# Altium PCB 400432.PcbDoc (part 1 of 6) (continued)
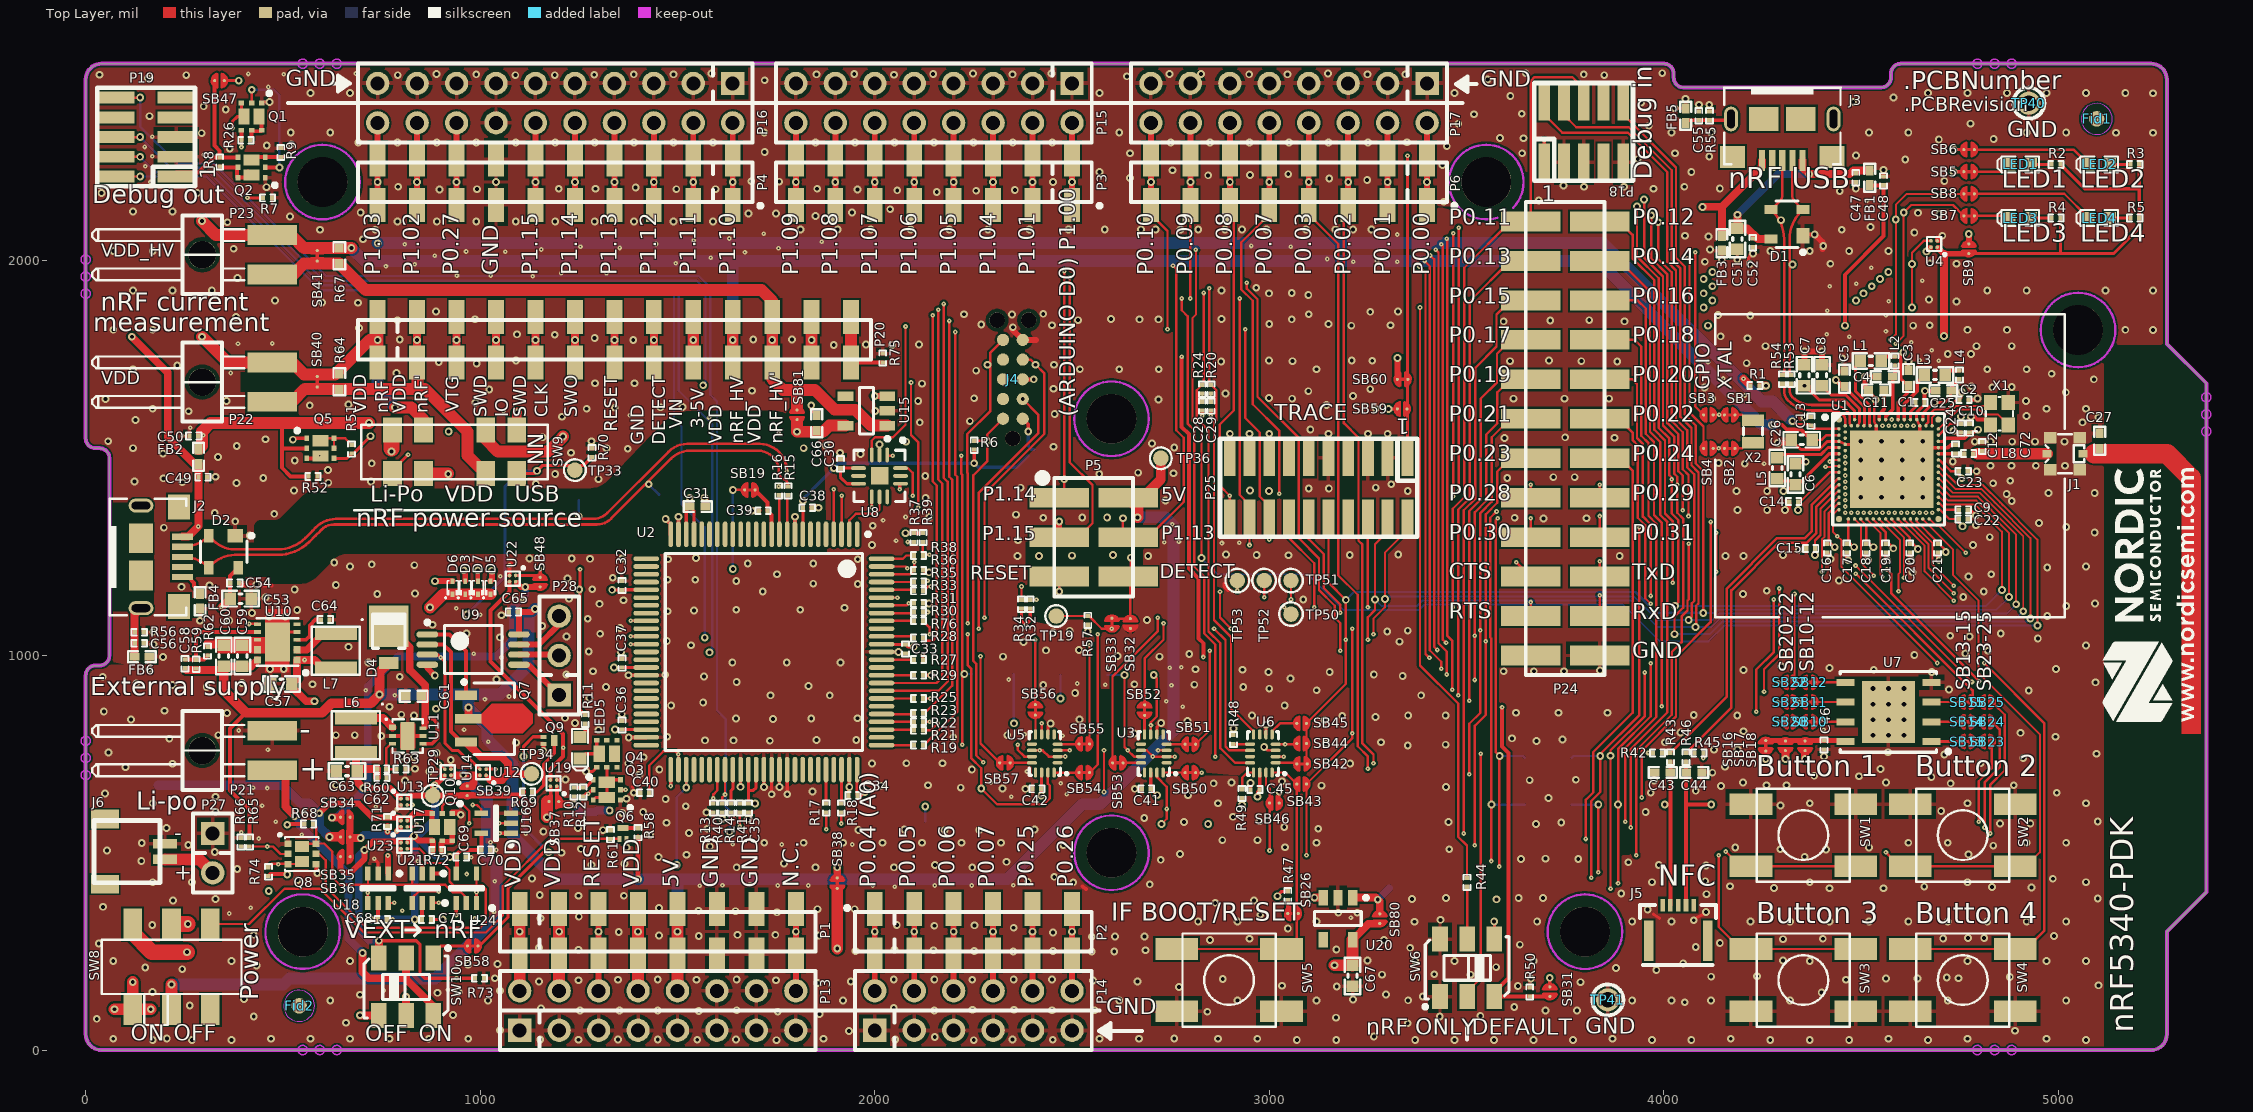
[diagram p0: Top Layer view]
## Components (designator, comment, footprint, x,y, rotation, side; value= is the part's Value field where it differs from the comment) (continued)
P12 "Pin List 1x8" LIST_1x8_SMD-NC 3400,2200 r180 bottom locked
P13 "Pin Header 2x8" HDR_2x8-NC 1450,100 r0 top locked
P14 "Pin Header 2x6" HDR_2x6-NC 2250,100 r0 top locked
P15 "Pin Header 2x8" HDR_2x8-NC 2150,2400 r180 top locked
P16 "Pin Header 2x10" HDR_2x10-NC 1190,2400 r180 top locked
P17 "Pin Header 2x8" HDR_2x8-NC 3050,2400 r180 top locked
P18 "Pin Header 2x5, 1.27mm" HDR_2x5-SMD-1.27mm-K 3797,2327 r0 top
P19 "Pin Header 2x5, 1.27mm" HDR_2x5-SMD-1.27mm-K 152.99,2314 r90 top
P20 "Pin List 1x13" LIST_1x13_SMD 740,1800 r0 top locked
P21 "Pin List 1x2, Angled" LIST_ANG_1x2-SMD-2.54MM 472.44,759 r270 top
P22 "Pin List 1x2, Angled" LIST_ANG_1x2-SMD-2.54MM 472.44,1692.91 r270 top
P23 "Pin List 1x2, Angled" LIST_ANG_1x2-SMD-2.54MM 472.44,2015.75 r270 top
P24 "Socket 2x12" SOCKET_2x12_SMD-2.54mm 3750,1550 r270 top locked
P25 "Pin Header 2x10, 1.27mm" HDR_2x10-SMD-1.27mm-NC 3125,1425 r180 top locked
P26 "Socket 1x12" LIST_1x12_SMD-NC 740,1800 r0 bottom locked
P27 "Pin List 1x2" LIST_1x2-NC 322,499 r270 top locked
P28 "Pin List 1x3" LIST_1x3-NC 1200,1000 r90 top locked
Q1 "PMCPB5530" PMCPB5530X 420.34,2366 r270 top
Q2 "PMCPB5530" PMCPB5530X 420.34,2237 r180 top
Q3 "PMCPB5530" PMCPB5530X 1321,659.29 r180 top
Q4 "PMCPB5530" PMCPB5530X 1321,751 r90 top
Q5 "PMCPB5530" PMCPB5530X 595,1525 r0 top
Q6 "RV2C010UNT2L" DFN65P100X40-3L 1362,549 r90 top
Q7 "FCX690BTA" SOT89-150P409X160-3N 1035,840 r0 top
Q8 "TSM250N02DCQ RFG" DFN65P200X200X80_HS-6N 548,497 r0 top
Q9 "RV2C010UNT2L" DFN65P100X40-3L 1174,785 r0 top
Q10 "PMCPB5530" PMCPB5530X 903.59,565.2 r270 top
R1 "4R7" RESC0603X03L_C 4231,1684 r0 top
R2 "220R" RESC0603X03L_C 4993.84,2244.73 r0 top
R3 "220R" RESC0603X03L_C 5193.84,2244.73 r0 top
R4 "220R" RESC0603X03L_C 4993.84,2108.73 r0 top
R5 "220R" RESC0603X03L_C 5193.84,2108.73 r0 top
R6 "100k" RESC0603X03L_C 2252,1533 r270 top
R7 "10k" RESC0603X03L_C 461,2160 r180 top
R8 "10k" RESC0603X03L_C 339.59,2251 r270 top
R9 "10k" RESC0603X03L_C 494.55,2275 r270 top
R10 "10k" RESC0603X03L_C 1238,654 r270 top
R11 "120R" RESC0603X03L_C 1266,838 r90 top
R12 "N.C." RESC0603X03L_C 1261,654 r90 top
R13 "1M0" RESC0603X03L_C 1591,613.61 r270 top
R14 "150R" RESC0603X03L_C 1635.5,613.61 r270 top
R15 "33R" RESC0603X03L_C 1780.05,1417.23 r270 top
R16 "33R" RESC0603X03L_C 1756.37,1417.23 r270 top
R17 "150R" RESC0603X03L_C 1877,613.61 r270 top
R18 "150R" RESC0603X03L_C 1915,613.61 r270 top
R19 "150R" RESC0603X03L_C 2111,773 r0 top
R20 "0R" RESC0603X03L_C 2852,1675 r270 top
R21 "150R" RESC0603X03L_C 2111,810.33 r0 top
R22 "150R" RESC0603X03L_C 2111,832 r0 top
R23 "150R" RESC0603X03L_C 2111,853.67 r0 top
R24 "0R" RESC0603X03L_C 2830,1675 r270 top
R25 "150R" RESC0603X03L_C 2111,891 r0 top
R26 "10k" RESC0603X03L_C 406,2306 r0 top
R27 "150R" RESC0603X03L_C 2111,989.61 r0 top
R28 "150R" RESC0603X03L_C 2111,1044.5 r0 top
R29 "0R" RESC0603X03L_C 2111,950 r0 top
R30 "150R" RESC0603X03L_C 2111,1110.16 r0 top
R31 "1M0" RESC0603X03L_C 2111,1132.05 r0 top
R32 "100k" RESC0603X03L_C 2394,1130 r270 top
R33 "150R" RESC0603X03L_C 2111,1163.94 r0 top
R34 "100k" RESC0603X03L_C 2372,1130 r270 top
R35 "150R" RESC0603X03L_C 2111,1186.33 r0 top
R36 "1M0" RESC0603X03L_C 2111,1215.72 r0 top
R37 "100k" RESC0603X03L_C 2099,1299 r90 top
R38 "150R" RESC0603X03L_C 2111,1253.61 r0 top
R39 "100k" RESC0603X03L_C 2122,1299 r90 top
R40 "100k" RESC0603X03L_C 1613.25,613.61 r270 top
R41 "100k" RESC0603X03L_C 1657.75,613.61 r90 top
R42 "N.C." RESC0603X03L_C 3984,753 r0 top
R43 "0R" RESC0603X03L_C 4016.63,742.06 r90 top
R44 "10k" RESC0603X03L_C 3501,425 r270 top
R45 "N.C." RESC0603X03L_C 4089,753 r180 top
R46 "0R" RESC0603X03L_C 4056.37,742.06 r90 top
R47 "100k" RESC0603X03L_C 3047,391 r90 top
R48 "4k7" RESC0603X03L_C 2909,787 r270 top
R49 "4k7" RESC0603X03L_C 2931,650 r90 top
R50 "47k" RESC0603X03L_C 3660,147 r90 top
R51 "1M0" RESC0603X03L_C 674,1523 r90 top
R52 "150k" RESC0603X03L_C 576,1454 r0 top
R53 "0R" RESC0603X03L_C 4323,1700 r90 top
R54 "0R" RESC0603X03L_C 4301,1700 r90 top
R55 "10k" RESC0603X03L_C 4115.75,2367.89 r270 top
R56 "10k" RESC0603X03L_C 135.84,1059 r180 top
R57 "1M0" RESC0603X03L_C 2540,1089 r270 top
R58 "1k" RESC0603X03L_C 1400,551 r90 top
R59 "270k" RESC0603X03L_C 280,978 r270 top
R60 "330k" RESC0603X03L_C 750,712 r180 top
R61 "10M" RESC0603X03L_C 1330,546 r90 top
R62 "30k" RESC0603X03L_C 309,1011 r270 top
R63 "120k" RESC0603X03L_C 799,712 r180 top
R64 "N.C." RESC1005X04L 642.99,1693.91 r90 top
R65 "820k" RESC0603X03L_C 414.87,527 r270 top
R66 "470k" RESC0603X03L_C 393.87,527 r90 top
R67 "N.C." RESC1005X04L 642.99,2013 r90 top
R68 "1M0" RESC0603X03L_C 565,573 r0 top
R69 "1M0" RESC0603X03L_C 1120,654 r0 top
R70 "N.C." RESC0603X03L_C 1283,1514 r90 top
R71 "100k" RESC0603X03L_C 765,579 r270 top
R72 "1M0" RESC0603X03L_C 891,506 r0 top
R73 "10M" RESC0603X03L_C 998,182 r0 top
R74 "1M0" RESC0603X03L_C 463,452 r90 top
R75 "205R" RESC0603X03L_C 2020,1754 r270 top
R76 "150R" RESC0603X03L_C 2111,1088 r0 top
SB1 "Solderbridge" Solderbridge_Shorted 4167,1610 r180 top net-tie
SB2 "Solderbridge" Solderbridge_Shorted 4167,1525 r180 top net-tie
SB3 "Solderbridge" Solderbridge 4113,1610 r180 top
SB4 "Solderbridge" Solderbridge 4113,1525 r180 top
SB5 "Solderbridge" Solderbridge_Shorted 4773.67,2226.26 r0 top net-tie
SB6 "Solderbridge" Solderbridge_Shorted 4773.67,2282.26 r0 top net-tie
SB7 "Solderbridge" Solderbridge_Shorted 4773.67,2114.26 r0 top net-tie
SB8 "Solderbridge" Solderbridge_Shorted 4773.67,2170.26 r0 top net-tie
SB9 "Solderbridge" Solderbridge 4773,2031 r270 top
SB10 "Solderbridge" Solderbridge_Shorted 4369.3,832 r0 top net-tie
SB11 "Solderbridge" Solderbridge_Shorted 4369.3,882 r0 top net-tie
SB12 "Solderbridge" Solderbridge_Shorted 4369.3,932 r0 top net-tie
SB13 "Solderbridge" Solderbridge_Shorted 4769.3,782 r180 top net-tie
SB14 "Solderbridge" Solderbridge_Shorted 4769.3,832 r180 top net-tie
SB15 "Solderbridge" Solderbridge_Shorted 4769.3,882 r180 top net-tie
SB16 "Solderbridge" Solderbridge_Shorted 4258.3,771 r90 top net-tie
SB17 "Solderbridge" Solderbridge 4308.3,771 r90 top
SB18 "Solderbridge" Solderbridge 4358.3,771 r90 top
SB19 "Solderbridge" Solderbridge_Shorted 1683.53,1419.75 r180 top net-tie
SB20 "Solderbridge" Solderbridge 4319.3,832 r180 top
SB21 "Solderbridge" Solderbridge 4319.3,882 r180 top
SB22 "Solderbridge" Solderbridge 4319.3,932 r180 top
SB23 "Solderbridge" Solderbridge 4819.3,782 r0 top
SB24 "Solderbridge" Solderbridge 4819.3,832 r0 top
SB25 "Solderbridge" Solderbridge 4819.3,882 r0 top
SB26 "Solderbridge" Solderbridge_Shorted 3060,346 r180 top net-tie
SB31 "Solderbridge" Solderbridge 3711,148 r270 top
SB32 "Solderbridge" Solderbridge 2648,1081 r90 top
SB33 "Solderbridge" Solderbridge_Shorted 2601,1081 r270 top net-tie
SB34 "Solderbridge" Solderbridge 658.1,590 r180 top
SB35 "Solderbridge" Solderbridge 658,540 r180 top
SB36 "Solderbridge" Solderbridge 658.1,490 r180 top
SB37 "Solderbridge" Solderbridge 1186.78,629.62 r180 top
SB38 "Solderbridge" Solderbridge_Shorted 1905,423 r90 top net-tie
SB39 "Solderbridge" Solderbridge 967,657 r270 top
SB40 "Solderbridge" Solderbridge_Shorted 586.99,1693.91 r270 top net-tie
SB41 "Solderbridge" Solderbridge_Shorted 586.99,2013 r270 top net-tie
SB42 "Solderbridge" Solderbridge_Shorted 3083,725.33 r0 top net-tie
SB43 "Solderbridge" Solderbridge 3082,674 r0 top
SB44 "Solderbridge" Solderbridge 3082,776.67 r0 top
SB45 "Solderbridge" Solderbridge 3082,828 r0 top
SB46 "Solderbridge" Solderbridge 3013,626 r180 top
SB47 "Solderbridge" Solderbridge 339,2457 r180 top
SB48 "Solderbridge" Solderbridge 1152,1186 r270 top
SB50 "Solderbridge" Solderbridge_Shorted 2800,703 r180 top net-tie
SB51 "Solderbridge" Solderbridge_Shorted 2800,775 r180 top net-tie
SB52 "Solderbridge" Solderbridge_Shorted 2684,861.7 r270 top net-tie
SB53 "Solderbridge" Solderbridge_Shorted 2616,728 r0 top net-tie
SB54 "Solderbridge" Solderbridge_Shorted 2531,703 r180 top net-tie
SB55 "Solderbridge" Solderbridge_Shorted 2531,776 r180 top net-tie
SB56 "Solderbridge" Solderbridge_Shorted 2407,862 r270 top net-tie
SB57 "Solderbridge" Solderbridge_Shorted 2330,728 r0 top net-tie
SB58 "Solderbridge" Solderbridge_Shorted 981,264 r180 top net-tie
SB59 "Solderbridge" Solderbridge 3336.8,1625 r180 top
SB60 "Solderbridge" Solderbridge_Shorted 3338,1700 r180 top net-tie
SB80 "Solderbridge" Solderbridge 3280,333 r270 top
SB81 "Solderbridge" Solderbridge 1803,1610 r270 top
SW1 "PB SW" Switch-PB-6.2x6.3mm-SMD 4353.57,544.48 r0 top locked
SW2 "PB SW" Switch-PB-6.2x6.3mm-SMD 4757.57,544.48 r0 top locked
SW3 "PB SW" Switch-PB-6.2x6.3mm-SMD 4353.57,177.23 r180 top locked
SW4 "PB SW" Switch-PB-6.2x6.3mm-SMD 4757.57,177.23 r180 top locked
SW5 "PB SW" Switch-PB-6.2x6.3mm-SMD 2898,177.23 r180 top
SW6 "CAS-220TA" CAS-220TA 3501.57,208.27 r0 top
SW8 "MKH-22D14-G2-B" MKH-22D14-G2-B 217.62,211 r0 top
SW9 "JS203011JCQN" Switch-Slide-J-Lead-DP3T-13x3.5mm 935,1516 r0 top locked
SW10 "CAS-220TA" CAS-220TA 812,160 r180 top
TP1 "Ø1.5mm,SMD" TP_SMD_Ø1.5mm 2128,580 r90 bottom
TP2 "Ø1.5mm,SMD" TP_SMD_Ø1.5mm 2588.89,950.56 r0 bottom
TP3 "Ø1.5mm,SMD" TP_SMD_Ø1.5mm 2727,573 r90 bottom
TP4 "Ø1.5mm,SMD" TP_SMD_Ø1.5mm 2707,950.56 r0 bottom
TP5 "Ø1.5mm,SMD" TP_SMD_Ø1.5mm 2270,663 r90 bottom
TP6 "Ø1.5mm,SMD" TP_SMD_Ø1.5mm 2470.78,950.56 r0 bottom
TP7 "Ø1.5mm,SMD" TP_SMD_Ø1.5mm 2352.67,953 r0 bottom
TP8 "Ø1.5mm,SMD" TP_SMD_Ø1.5mm 2234.56,953 r0 bottom
TP9 "Ø1.5mm,SMD" TP_SMD_Ø1.5mm 1454,1408 r90 bottom
TP10 "Ø1.5mm,SMD" TP_SMD_Ø1.5mm 1250,1394 r90 bottom
TP11 "Ø1.5mm,SMD" TP_SMD_Ø1.5mm 117,1808 r90 bottom
TP12 "Ø1.5mm,SMD" TP_SMD_Ø1.5mm 116,1982 r90 bottom
TP13 "Ø1.5mm,SMD" TP_SMD_Ø1.5mm 4319,1991.26 r180 bottom
TP14 "Ø1.5mm,SMD" TP_SMD_Ø1.5mm 4305,2120.37 r180 bottom
TP15 "Ø1.5mm,SMD" TP_SMD_Ø1.5mm 4368.45,2219.95 r180 bottom
TP16 "Ø1.5mm,SMD" TP_SMD_Ø1.5mm 4098,2141 r180 bottom
TP17 "Ø1.5mm,SMD" TP_SMD_Ø1.5mm 4002.22,622 r270 bottom
TP18 "Ø1.5mm,SMD" TP_SMD_Ø1.5mm 4120.33,622 r270 bottom
TP19 "Ø1.0mm,SMD" TP_SMD_Ø1.0mm 2460,1100 r90 top
TP20 "Ø1.5mm,SMD" TP_SMD_Ø1.5mm 2405,1521.89 r180 bottom
TP21 "Ø1.5mm,SMD" TP_SMD_Ø1.5mm 2405,1640 r180 bottom
TP22 "Ø1.5mm,SMD" TP_SMD_Ø1.5mm 4621,1992 r180 bottom
TP23 "Ø1.5mm,SMD" TP_SMD_Ø1.5mm 2286.89,1521.89 r180 bottom
TP24 "Ø1.5mm,SMD" TP_SMD_Ø1.5mm 295,1808 r180 bottom
TP25 "Ø1.5mm,SMD" TP_SMD_Ø1.5mm 295,2101 r180 bottom
TP26 "Ø1.5mm,SMD" TP_SMD_Ø1.5mm 183.74,671.26 r180 bottom
TP27 "Ø1.5mm,SMD" TP_SMD_Ø1.5mm 715,232 r180 bottom
TP28 "Ø1.5mm,SMD" TP_SMD_Ø1.5mm 454,401 r180 bottom
TP29 "Ø1.0mm,SMD" TP_SMD_Ø1.0mm 880,645 r0 top
TP30 "Ø1.5mm,SMD" TP_SMD_Ø1.5mm 1041,464 r270 bottom
TP31 "Ø1.5mm,SMD" TP_SMD_Ø1.5mm 208,483.31 r90 bottom
TP32 "Ø1.5mm,SMD" TP_SMD_Ø1.5mm 258.9,319.27 r180 bottom
TP33 "Ø1.0mm,SMD" TP_SMD_Ø1.0mm 1240,1470 r0 top
TP34 "Ø1.0mm,SMD" TP_SMD_Ø1.0mm 1130,700 r0 top
TP35 "Ø1.0mm,SMD" TP_SMD_Ø1.0mm 1258,603 r180 bottom
TP36 "Ø1.0mm,SMD" TP_SMD_Ø1.0mm 2725,1500 r0 top
TP37 "Ø1.5mm,SMD" TP_SMD_Ø1.5mm 2845.11,573 r180 bottom
TP38 "Ø1.5mm,SMD" TP_SMD_Ø1.5mm 3304,410 r180 bottom
TP39 "Ø1.5mm,SMD" TP_SMD_Ø1.5mm 2735,1575 r180 bottom
TP40 "TP" TESTPAD-TH 4925,2400 r0 top
TP41 "TP" TESTPAD-TH 3858,127 r0 top
TP42 "Ø1.5mm,SMD" TP_SMD_Ø1.5mm 3647.89,622 r180 bottom
TP43 "Ø1.5mm,SMD" TP_SMD_Ø1.5mm 3647.89,740.11 r180 bottom
TP44 "Ø1.5mm,SMD" TP_SMD_Ø1.5mm 3766,622 r180 bottom
TP45 "Ø1.5mm,SMD" TP_SMD_Ø1.5mm 3766,740.11 r180 bottom
TP46 "Ø1.5mm,SMD" TP_SMD_Ø1.5mm 3884.11,622 r180 bottom
TP47 "Ø1.5mm,SMD" TP_SMD_Ø1.5mm 3884.11,740.11 r180 bottom
TP48 "Ø1.5mm,SMD" TP_SMD_Ø1.5mm 2405,1758.11 r180 bottom
TP49 "Ø1.5mm,SMD" TP_SMD_Ø1.5mm 2286.89,1758.11 r180 bottom
TP50 "Ø1.0mm,SMD" TP_SMD_Ø1.0mm 3055,1105 r0 top
TP51 "Ø1.0mm,SMD" TP_SMD_Ø1.0mm 3055,1190 r90 top
TP52 "Ø1.0mm,SMD" TP_SMD_Ø1.0mm 2987,1190 r90 top
TP53 "Ø1.0mm,SMD" TP_SMD_Ø1.0mm 2919,1190 r90 top
U1 "nRF5340-QKAA" AQFN40P700X700X85_HS-99N 4569.98,1472 r0 top locked
U2 "MK22FN128VLL10" TSQFP50P1600X1600X160-100N 1719,1009 r270 top locked
U3 "FSA2466UMX" XQFN40P180X260X50-16N 2707.33,751.62 r180 top
U4 "SC728CSTRT" BGA4C40P2X2_76X76X62 4685,2043 r180 top
U5 "FSA2466UMX" XQFN40P180X260X50-16N 2431,751.62 r180 top
U6 "FSA2466UMX" XQFN40P180X260X50-16N 2983.67,751.62 r180 top
U7 "MX25R6435F" SON127P600X80_HS-9N 4569.3,857 r180 top locked
U8 "DG2034EDN" DG2034EDN 2012.1,1455.14 r270 top
U9 "TS27L2IPT" TSOP65P640X120-8N 982,1015 r0 top
U10 "XC9131" "10-USPB (2.9x2.6)" 486,1034 r180 top
U11 "XC9236" USP-6C 816,796 r0 top
U12 "SC728CSTRT" BGA4C40P2X2_76X76X62 1007,704 r180 top
U13 "SC728CSTRT" BGA4C40P2X2_76X76X62 807,629 r0 top
U14 "SC728CSTRT" BGA4C40P2X2_76X76X62 918,704 r180 top
U15 "TCK106AF" SOT95P280X140-5N 1979,1620 r180 top
U16 "74LVC1G08" SOT65P210X100-5N 1040,575 r180 top
U17 "SC728CSTRT" BGA4C40P2X2_76X76X62 807,573.5 r0 top
U18 "74LVC1G11" SOT65P210X100-6N 741,410 r270 top
U19 "SC728CSTRT" BGA4C40P2X2_76X76X62 1185.78,676.62 r180 top
U20 "TCK106AF" SOT95P280X140-5N 3174,333 r270 top
U21 "74LVC1G11" SOT65P210X100-6N 853,410 r270 top
U22 "SC728CSTRT" BGA4C40P2X2_76X76X62 1082,1195 r270 top
U23 "SC728CSTRT" BGA4C40P2X2_76X76X62 807,518 r0 top
U24 "74LVC1G08" SOT65P210X100-5N 965,410 r90 top
X1 "32MHz" BT-XTAL_2016 4850.5,1612.75 r90 top
X2 "32.768kHz" XTAL_2012 4226,1568 r270 top

## Footprints (in the part's own frame and the unit in brackets; to place one, negate y for a bottom-side part, rotate by r counter-clockwise, add the part's x,y. Pads: shape width x height; smd on the part's side, far side on the other; paste and mask are expansions set on the pad)
"10-USPB (2.9x2.6)" [mm] "PQFN, 10-Leads, Body 2.60x2.90mm, Pitch 0.50mm, Thermal Pad 1.60x2.50mm, IPC Medium Density"
  rect 0.45x0.475 smd paste-0.088 mask+0.07: 1(-1.27,1.15) 2(-1.27,0.5) 9(1.27,0.5) 10(1.27,1.15)
  rect 0.45x0.25 smd paste-0.05 mask+0.07: 3(-1.27,-0.15) 4(-1.27,-0.65) 5(-1.27,-1.15) 6(1.27,-1.15) 7(1.27,-0.65) 8(1.27,-0.15)
  rect 1.6x2.5 smd paste-5: 11(0,0)
  silkscreen extent -1.95,-1.53 1.35,2.1, body extent -1.3,-1.45 1.3,1.45, height 0.6
AQFN40P700X700X85_HS-99N [mm] "AQFN, 98-Leads, Body 7.00x7.00mm, Pitch 0.40mm, Thermal Pad 5.4x5.0mm, IPC Medium Density"
  rect 5.4x5 smd paste-5 mask+0.05: 104(0.2,0)
  round 0.4 smd paste+0.012 mask+0.05: A1(-3.2,3.2) A31(3.2,3.2) AL1(-3.2,-3.2) AL31(3.2,-3.2)
  round 0.225 smd paste+0.012 mask+0.05: A5(-2.2,3.2) A13(-0.6,3.2) A15(-0.2,3.2) A17(0.2,3.2) A19(0.6,3.2) A21(1,3.2) A23(1.4,3.2) A25(1.8,3.2) A27(2.2,3.2) AA1(-3.2,-1) AA31(3.2,-1) AB2(-2.8,-1.2) AC1(-3.2,-1.4) AC31(3.2,-1.4) AD2(-2.8,-1.6) AE1(-3.2,-1.8) AE31(3.2,-1.8) AF2(-2.8,-2) AG1(-3.2,-2.2) AG31(3.2,-2.2) AH2(-2.8,-2.4) AJ1(-3.2,-2.6) AJ31(3.2,-2.6) AK2(-2.8,-2.8) AK4(-2.4,-2.8) AK6(-2,-2.8) AK8(-1.6,-2.8) AK10(-1.2,-2.8) AK12(-0.8,-2.8) AK14(-0.4,-2.8) AK16(0,-2.8) AK18(0.4,-2.8) AK20(0.8,-2.8) AK22(1.2,-2.8) AK24(1.6,-2.8) AK26(2,-2.8) AK28(2.4,-2.8) AK30(2.8,-2.8) AL3(-2.6,-3.2) AL5(-2.2,-3.2) AL7(-1.8,-3.2) AL9(-1.4,-3.2) AL11(-1,-3.2) AL13(-0.6,-3.2) AL15(-0.2,-3.2) AL17(0.2,-3.2) AL19(0.6,-3.2) AL21(1,-3.2) AL23(1.4,-3.2) AL25(1.8,-3.2) AL27(2.2,-3.2) AL29(2.6,-3.2) B2(-2.8,2.8) B4(-2.4,2.8) B6(-2,2.8) B8(-1.6,2.8) B10(-1.2,2.8) B12(-0.8,2.8) B14(-0.4,2.8) B16(0,2.8) B18(0.4,2.8) B20(0.8,2.8) B22(1.2,2.8) B24(1.6,2.8) B26(2,2.8) B28(2.4,2.8) B30(2.8,2.8) C1(-3.2,2.6) C31(3.2,2.6) D2(-2.8,2.4) E1(-3.2,2.2) E31(3.2,2.2) F2(-2.8,2) G1(-3.2,1.8) G31(3.2,1.8) H2(-2.8,1.6) J1(-3.2,1.4) J31(3.2,1.4) K2(-2.8,1.2) L1(-3.2,1) L31(3.2,1) M2(-2.8,0.8) N1(-3.2,0.6) N31(3.2,0.6) P2(-2.8,0.4) R1(-3.2,0.2) R31(3.2,0.2) T2(-2.8,0) U1(-3.2,-0.2) U31(3.2,-0.2) V2(-2.8,-0.4) W1(-3.2,-0.6) W31(3.2,-0.6) Y2(-2.8,-0.8)
  rrect15% 1.1x1 on Top Paste: ""(-1.75,-1.8) ""(-1.75,-0.6) ""(-1.75,0.6) ""(-1.75,1.8) ""(-0.45,-1.8) ""(-0.45,-0.6) ""(-0.45,0.6) ""(-0.45,1.8) ""(0.85,-1.8) ""(0.85,-0.6) ""(0.85,0.6) ""(0.85,1.8) ""(2.15,-1.8) ""(2.15,-0.6) ""(2.15,0.6) ""(2.15,1.8)
  silkscreen extent -4.22,-3.6 3.6,3.6, body extent -3.5,-3.5 3.5,3.5, height 0.85
BGA4C40P2X2_76X76X62 [mm] "BGA, 4-Leads, Body 0.8x0.8mm,  Pitch 0.40mm"
  round 0.235 smd mask+0.05: A1(-0.2,0.2) A2(0.2,0.2) B1(-0.2,-0.2) B2(0.2,-0.2)
  silkscreen extent -0.74,-0.45 0.45,0.74, body extent -0.38,-0.38 0.38,0.38, height 0.63
BT-XTAL_2016 [mm] "Crystal 2.0 x 1.6 mm"
  rect 0.95x0.85 smd: 1(-0.725,-0.575) 2(0.725,-0.575) 3(0.725,0.575) 4(-0.725,0.575)
  silkscreen extent -1.08,-0.88 1.08,0.88, body extent -1.05,-0.85 1.05,0.85, height 0.56
CAPC0603X03L_C [mm] "Chip Capacitor, 2-Leads, Body 0.6x0.3mm, IPC High Density"
  rect 0.27x0.3 smd mask+0.05: 1(-0.285,0) 2(0.285,0)
  silkscreen extent -0.49,-0.22 0.49,0.22, body extent -0.3,-0.15 0.31,0.15, height 0.3
CAPC1005X04L [mm] "Chip Capacitor, 2-Leads, Body 1.0x0.5mm, IPC High Density"
  rect 0.6x0.5 smd: 1(-0.5,0) 2(0.5,0)
  silkscreen extent -0.9,-0.35 0.9,0.35, body extent -0.51,-0.25 0.51,0.25, height 0.5
CAPC1608X06L [mm] "Chip Capacitor, 2-Leads, Body 1.6x0.8mm, IPC High Density"
  rect 0.75x0.8 smd: 1(-0.675,0) 2(0.675,0)
  silkscreen extent -1.17,-0.5 1.17,0.5, body extent -0.8,-0.43 0.8,0.43, height 0.8
CAS-220TA [mm] "SLIDE SWITCH DPDT J HOOK"
  rect 1x1.6 smd: 1(-1.75,-1.85) 2(0,-1.85) 3(1.75,-1.85) 4(-1.75,1.85) 5(0,1.85) 6(1.75,1.85)
  silkscreen extent -2.8,-2.6 2.7,2, body extent -2.7,-2.15 2.7,2.16, height 2.51
COAXIAL-SWF [mm]
  rect 0.5x0.58 smd: 1(0,1.16) 3(0,-1.16)
  rect 0.75x0.8 smd: 2(-1.025,-0.95) 2(-1.025,0.95) 2(1.025,-0.95) 2(1.025,0.95)
  Top Layer pour cut-out: -0.65,0.55 0.65,0.55 0.65,1.35 -0.65,1.35
  Top Layer pour cut-out: 0.65,-0.55 -0.65,-0.55 -0.65,-1.35 0.65,-1.35
  silkscreen extent -1.25,-1.25 1.25,1.25, body extent -1.26,-1.3 1.26,1.3, height 1.55
DFN65P100X40-3L [mm] "DFN, 3-Leads, Body 0.60x1.00mm, Pitch 0.65mm, IPC High Density"
  rect 0.4x0.25 smd mask+0.065: 1(-0.35,0.225) 2(-0.35,-0.225)
  rect 0.4x0.7 smd mask+0.065: 3(0.35,0)
  silkscreen extent -0.57,0.57 -0.48,0.67, body extent -0.53,-0.33 0.53,0.33, height 0.4
DFN65P200X200X80_HS-6N [mm] "DFN, 6-Leads, Body 2.00x2.00mm, Pitch 0.65mm, IPC Medium Density"
  rect 0.45x0.42 smd mask+0.055: 1(-0.905,0.65) 2(-0.905,0) 3(-0.905,-0.65) 4(0.905,-0.65) 5(0.905,0) 6(0.905,0.65)
  rect 0.92x0.71 smd mask+0.055: 3(0,-0.475) 6(0,0.475)
  silkscreen extent -1.47,-1.08 1.08,1.27, body extent -1.02,-1.02 1.02,1.02, height 0.8
DG2034EDN [mm] "QFN, 12-Leads, Body 3,00x3,00mm, Pitch 0,50mm, Thermal Pad 1,13x1,13mm, IPC Medium Density"
  oval 0.95x0.25 smd: 1(-1.35,0.5) 2(-1.35,0) 3(-1.35,-0.5) 7(1.35,-0.5) 8(1.35,0) 9(1.35,0.5)
  oval 0.25x0.95 smd: 4(-0.5,-1.35) 5(0,-1.35) 6(0.5,-1.35) 10(0.5,1.35) 11(0,1.35) 12(-0.5,1.35)
  rect 1.13x1.13 smd: 13(0,0)
  silkscreen extent -2.42,-1.65 1.65,1.65, body extent -1.5,-1.5 1.5,1.5, height 1
DO-216AA [mm]
  rect 0.762x1.27 smd: 1(1.65,0)
  rect 2.67x2.54 smd: 3(-0.7,0)
  silkscreen extent -1.6,-1.05 0.7,1.05, body extent -1.9,-1 1.95,1, height 1.01
Fiducial [mm] "Fiducial Mark"
  round 1 smd paste+0 mask+0.5: 0(0,0)
  round 1 smd far side paste+0 mask+0.5: 0(0,0)
  Top Layer keep-out circle w0.01: c0,0 r1
  Bottom Layer keep-out circle w0.01: c0,0 r1
FPC_05P-0.5mm-RA-SMD [mm] "FPC, 5-Leads, Pitch 0,5mm"
  rect 0.6x2.6 smd: 0(-0.9,-2.3) 0(2.9,-2.3)
  rect 0.3x0.8 smd mask+0.05: 1(0,0) 2(0.5,0) 3(1,0) 4(1.5,0) 5(2,0)
  silkscreen extent -1.45,-3.85 3.45,0, body extent -1.3,-3.85 3.3,0.2, height 1.2
HDR_2x3-SMD [mil] "Board-Board Conn, Header, 6-way, 2-row"
  rect 50x150 smd: 1(-100,-87.5) 2(-100,87.5) 3(0,-87.5) 4(0,87.5) 5(100,-87.5) 6(100,87.5)
  silkscreen extent -160,-140 150,100, body extent -150,-148 150,148, height 382
HDR_2x5-SMD-1.27mm-K [mm] "SMT MICRO HEADER, (1,27) .050\" Keying Shroud"
  rect 0.76x2.4 smd: 1(-2.54,-1.95) 2(-2.54,1.95) 3(-1.27,-1.95) 4(-1.27,1.95) 5(0,-1.95) 6(0,1.95) 7(1.27,-1.95) 8(1.27,1.95) 9(2.54,-1.95) 10(2.54,1.95)
  silkscreen extent -3.17,-3.15 3.17,3.15, body extent -3.14,-2.92 3.14,2.92, height 6.11
HDR_2x6-NC [mm] "Pin Header, 2.54mm through hole"
  rect 1.5x1.5 hole 0.9: 1(-6.35,-1.27)
  round 1.5 hole 0.9: 2(-6.35,1.27) 3(-3.81,-1.27) 4(-3.81,1.27) 5(-1.27,-1.27) 6(-1.27,1.27) 7(1.27,-1.27) 8(1.27,1.27) 9(3.81,-1.27) 10(3.81,1.27) 11(6.35,-1.27) 12(6.35,1.27)
  silkscreen extent -7.62,-2.54 7.62,2.54
HDR_2x8-NC [mm] "Pin Header, 2.54mm through hole"
  rect 1.5x1.5 hole 0.9: 1(-8.89,-1.27)
  round 1.5 hole 0.9: 2(-8.89,1.27) 3(-6.35,-1.27) 4(-6.35,1.27) 5(-3.81,-1.27) 6(-3.81,1.27) 7(-1.27,-1.27) 8(-1.27,1.27) 9(1.27,-1.27) 10(1.27,1.27) 11(3.81,-1.27) 12(3.81,1.27) 13(6.35,-1.27) 14(6.35,1.27) 15(8.89,-1.27) 16(8.89,1.27)
  silkscreen extent -10.16,-2.54 10.16,2.54
HDR_2x10-NC [mm] "Pin Header, 2.54mm through hole"
  rect 1.5x1.5 hole 0.9: 1(-11.43,-1.27)
  round 1.5 hole 0.9: 2(-11.43,1.27) 3(-8.89,-1.27) 4(-8.89,1.27) 5(-6.35,-1.27) 6(-6.35,1.27) 7(-3.81,-1.27) 8(-3.81,1.27) 9(-1.27,-1.27) 10(-1.27,1.27) 11(1.27,-1.27) 12(1.27,1.27) 13(3.81,-1.27) 14(3.81,1.27) 15(6.35,-1.27) 16(6.35,1.27) 17(8.89,-1.27) 18(8.89,1.27) 19(11.43,-1.27) 20(11.43,1.27)
  silkscreen extent -12.7,-2.54 12.7,2.54
HDR_2x10-SMD-1.27mm-NC [mm] "SMT MICRO HEADER, (1,27) .050\""
  rect 0.76x2.4 smd: 1(-5.715,-1.95) 2(-5.715,1.95) 3(-4.445,-1.95) 4(-4.445,1.95) 5(-3.175,-1.95) 6(-3.175,1.95) 7(-1.905,-1.95) 8(-1.905,1.95) 9(-0.635,-1.95) 10(-0.635,1.95) 11(0.635,-1.95) 12(0.635,1.95) 13(1.905,-1.95) 14(1.905,1.95) 15(3.175,-1.95) 16(3.175,1.95) 17(4.445,-1.95) 18(4.445,1.95) 19(5.715,-1.95) 20(5.715,1.95)
  silkscreen extent -6.35,-3.15 6.35,3.15
INDC0603X03L_C [mm] "Chip Inductor, 2-Leads, Body 0.6x0.3mm, IPC High Density"
  rect 0.27x0.3 smd: 1(-0.285,0) 2(0.285,0)
  silkscreen extent -0.49,-0.22 0.49,0.22, body extent -0.31,-0.16 0.31,0.16, height 0.26
INDC1005X04L [mm] "Chip Inductor, 2-Leads, Body 1.0x0.5mm, IPC High Density"
  rect 0.65x0.5 smd: 1(-0.475,0) 2(0.475,0)
  silkscreen extent -0.9,-0.35 0.9,0.35, body extent -0.5,-0.3 0.5,0.3, height 0.5
INDC1608X06L [mm] "Chip Inductor, 2-Leads, Body 1.6x0.8mm, IPC High Density"
  rect 0.75x0.8 smd: 1(-0.675,0) 2(0.675,0)
  silkscreen extent -1.17,-0.5 1.17,0.5, body extent -0.8,-0.48 0.8,0.48, height 0.8
L-KLS5-CR2032-23-B1 [mm] "SMT,CR2032 Coin Battery Holder"
  rect 3.2x4.2 smd: 1(-14.65,0) 2(14.65,0)
  silkscreen extent -14.42,-8 14.42,8, body extent -15.7,-8 15.85,8, height 5.17
LED_0603_G [mil] "SMD Super Bright LED, GREEN"
  rect 30x32 smd: 1(-27.5,0) 2(27.5,0)
  silkscreen extent -58,-20 48,20, body extent -32,-16 32,16, height 24
LIST_1x2-NC [mm] "Pin List, 2.54mm through hole"
  rect 1.5x1.5 hole 0.9: 1(-1.27,0)
  round 1.5 hole 0.9: 2(1.27,0)
  silkscreen extent -2.54,-1.27 2.54,1.27
LIST_1x3-NC [mm] "Pin List, 2.54mm through hole"
  rect 1.5x1.5 hole 0.9: 1(-2.54,0)
  round 1.5 hole 0.9: 2(0,0) 3(2.54,0)
  silkscreen extent -3.81,-1.27 3.81,1.27
LIST_1x6_SMD-NC [mm] "Pin List, 2.54mm, SMD"
  rect 1.02x2.19 smd paste+0: 1(0,-1.465) 1(0,1.465) 2(2.54,-1.465) 2(2.54,1.465) 3(5.08,-1.465) 3(5.08,1.465) 4(7.62,-1.465) 4(7.62,1.465) 5(10.16,-1.465) 5(10.16,1.465) 6(12.7,-1.465) 6(12.7,1.465)
  silkscreen extent -1.27,-1.27 13.97,1.27
LIST_1x8_SMD-NC [mm] "Pin List, 2.54mm, SMD"
  rect 1.02x2.19 smd paste+0: 1(0,-1.465) 1(0,1.465) 2(2.54,-1.465) 2(2.54,1.465) 3(5.08,-1.465) 3(5.08,1.465) 4(7.62,-1.465) 4(7.62,1.465) 5(10.16,-1.465) 5(10.16,1.465) 6(12.7,-1.465) 6(12.7,1.465) 7(15.24,-1.465) 7(15.24,1.465) 8(17.78,-1.465) 8(17.78,1.465)
  silkscreen extent -1.27,-1.27 19.05,1.27
LIST_1x10_SMD-NC [mm] "Pin List, 2.54mm, SMD"
  rect 1.02x2.19 smd paste+0: 1(0,-1.465) 1(0,1.465) 2(2.54,-1.465) 2(2.54,1.465) 3(5.08,-1.465) 3(5.08,1.465) 4(7.62,-1.465) 4(7.62,1.465) 5(10.16,-1.465) 5(10.16,1.465) 6(12.7,-1.465) 6(12.7,1.465) 7(15.24,-1.465) 7(15.24,1.465) 8(17.78,-1.465) 8(17.78,1.465) 9(20.32,-1.465) 9(20.32,1.465) 10(22.86,-1.465) 10(22.86,1.465)
  silkscreen extent -1.27,-1.27 24.13,1.27
LIST_1x12_SMD-NC [mm] "Pin List, 2.54mm, SMD"
  rect 1.02x2.19 smd paste+0: 1(0,-1.465) 1(0,1.465) 2(2.54,-1.465) 2(2.54,1.465) 3(5.08,-1.465) 3(5.08,1.465) 4(7.62,-1.465) 4(7.62,1.465) 5(10.16,-1.465) 5(10.16,1.465) 6(12.7,-1.465) 6(12.7,1.465) 7(15.24,-1.465) 7(15.24,1.465) 8(17.78,-1.465) 8(17.78,1.465) 9(20.32,-1.465) 9(20.32,1.465) 10(22.86,-1.465) 10(22.86,1.465) 11(25.4,-1.465) 11(25.4,1.465) 12(27.94,-1.465) 12(27.94,1.465)
  silkscreen extent -1.27,-1.27 29.21,1.27
LIST_1x13_SMD [mm] "Pin List, 2.54mm, SMD"
  rect 1.02x2.19 smd: 1(0,-1.465) 1(0,1.465) 2(2.54,-1.465) 2(2.54,1.465) 3(5.08,-1.465) 3(5.08,1.465) 4(7.62,-1.465) 4(7.62,1.465) 5(10.16,-1.465) 5(10.16,1.465) 6(12.7,-1.465) 6(12.7,1.465) 7(15.24,-1.465) 7(15.24,1.465) 8(17.78,-1.465) 8(17.78,1.465) 9(20.32,-1.465) 9(20.32,1.465) 10(22.86,-1.465) 10(22.86,1.465) 11(25.4,-1.465) 11(25.4,1.465) 12(27.94,-1.465) 12(27.94,1.465) 13(30.48,-1.465) 13(30.48,1.465)
  silkscreen extent -1.27,-1.27 31.75,1.27, body extent -1.27,-2.5 31.75,2.5, height 9.82
LIST_ANG_1x2-SMD-2.54MM [mm] "Pin List, 2.54mm, Surface Mount, Angled"
  round 1.78 hole 1.78 unplated: 0(0,-4.496)
  rect 1.27x3.18 smd: 1(-1.27,0) 2(1.27,0)
  silkscreen extent -2.54,-11.58 2.54,-1.8, body extent -2.56,-11.61 2.52,1.35, height 3.03
MKH-22D14-G2-B [mm] "Slide Switches - DPDT, SMD, ON-ON"
  rect 1.2x2 smd: 1(2.5,-2.75) 2(0,-2.75) 3(-2.5,-2.75) 4(2.5,2.75) 5(0,2.75) 6(-2.5,2.75)
  silkscreen extent -4.5,-3.75 4.5,1.75, body extent -4.25,-3.75 4.25,2.5, height 3.5
PMCPB5530X [mm] "QFN, 6-Leads, Body 2.00x2.00mm, Pitch 0.65mm, IPC Medium Density"
  rect 0.3x0.35 smd mask+0.05: 1(-0.875,0.65) 2(-0.875,0) 3(-0.875,-0.65) 4(0.875,-0.65) 5(0.875,0) 6(0.875,0.65)
  rect 1.05x0.72 smd mask+0.05: 3(0,-0.49) 6(0,0.49)
  silkscreen extent -1.62,1.02 -1.37,1.27, body extent -1.05,-1.05 1.05,1.05, height 0.65
RESC0603X03L_C [mm] "Chip Resistor, 2-Leads, Body 0.6x0.3mm, IPC High Density"
  rect 0.27x0.3 smd: 1(-0.285,0) 2(0.285,0)
  silkscreen extent -0.49,-0.22 0.49,0.22, body extent -0.3,-0.15 0.3,0.15, height 0.23
RESC1005X04L [mm] "Chip Resistor, 2-Leads, Body 1.0x0.5mm, IPC High Density"
  rect 0.6x0.55 smd mask+0.05: 1(-0.5,0) 2(0.5,0)
  silkscreen extent -0.87,-0.38 0.88,0.38, body extent -0.5,-0.25 0.5,0.25, height 0.3
SM02B-SRSS-TB [mm] "JST, SH connector, side entry SMD, 1mm pitch"
  rect 1.2x1.8 smd: 0(-2.1,-3.875) 0(2.1,-3.875)
  rect 0.6x1.55 smd: 1(-0.5,0) 2(0.5,0)
  silkscreen extent -2,-4.57 2,-0.33, body extent -1.99,-4.58 1.99,0.41, height 3
SOCKET_1x6_SMD [mm] "Socket, 2.54mm, SMD"
  rect 1.02x2.19 smd: 1(0,-1.465) 1(0,1.465) 2(2.54,-1.465) 2(2.54,1.465) 3(5.08,-1.465) 3(5.08,1.465) 4(7.62,-1.465) 4(7.62,1.465) 5(10.16,-1.465) 5(10.16,1.465) 6(12.7,1.465) 6(12.7,-1.465)
  silkscreen extent -1.27,-1.27 13.97,1.27, body extent -1.27,-2.29 13.97,2.29, height 7.47
SOCKET_1x8_SMD [mm] "Socket, 2.54mm, SMD"
  rect 1.02x2.19 smd: 1(0,-1.465) 1(0,1.465) 2(2.54,-1.465) 2(2.54,1.465) 3(5.08,-1.465) 3(5.08,1.465) 4(7.62,-1.465) 4(7.62,1.465) 5(10.16,-1.465) 5(10.16,1.465) 6(12.7,1.465) 6(12.7,-1.465) 7(15.24,-1.465) 7(15.24,1.465) 8(17.78,-1.465) 8(17.78,1.465)
  silkscreen extent -1.27,-1.27 19.05,1.27, body extent -1.27,-2.29 19.05,2.29, height 7.47
SOCKET_1x10_SMD [mm] "Socket, 2.54mm, SMD"
  rect 1.02x2.19 smd: 1(0,1.465) 1(0,-1.465) 2(2.54,-1.465) 2(2.54,1.465) 3(5.08,-1.465) 3(5.08,1.465) 4(7.62,-1.465) 4(7.62,1.465) 5(10.16,-1.465) 5(10.16,1.465) 6(12.7,-1.465) 6(12.7,1.465) 7(15.24,-1.465) 7(15.24,1.465) 8(17.78,-1.465) 8(17.78,1.465) 9(20.32,-1.465) 9(20.32,1.465) 10(22.86,-1.465) 10(22.86,1.465)
  silkscreen extent -1.27,-1.27 24.13,1.27, body extent -1.27,-2.29 24.13,2.29, height 7.47
SOCKET_2x3_SMD-2.54mm-bottom-NC [mm] "Socket, 2.54mm, SMD"
  rect 1.02x2.22 smd far side: 1(-2.54,-2.825) 2(-2.54,2.825) 3(0,-2.825) 4(0,2.825) 5(2.54,-2.825) 6(2.54,2.825)
SOCKET_2x12_SMD-2.54mm [mil]
  rect 50x150 smd: 1(-550,-87.5) 2(-550,87.5) 3(-450,-87.5) 4(-450,87.5) 5(-350,-87.5) 6(-350,87.5) 7(-250,-87.5) 8(-250,87.5) 9(-150,-87.5) 10(-150,87.5) 11(-50,-87.5) 12(-50,87.5) 13(50,-87.5) 14(50,87.5) 15(150,-87.5) 16(150,87.5) 17(250,-87.5) 18(250,87.5) 19(350,-87.5) 20(350,87.5) 21(450,-87.5) 22(450,87.5) 23(550,-87.5) 24(550,87.5)
  silkscreen extent -600,-100 600,100, body extent -600,-138 600,139, height 292
SODFL100X40-2N [mm] "SODFL, 2-Leads, Body 0.60x1.00mm, IPC Medium Density"
  rect 0.36x0.25 smd: 1(-0.42,0) 2(0.42,0)
  silkscreen extent -0.7,-0.35 0.5,0.5, body extent -0.5,-0.33 0.5,0.33, height 0.4
Solderbridge [mm]
  round 0.2 smd paste-10: 1(-0.312,0) 2(0.312,0)
  Top Layer region: -0.077,-0.432 -0.152,-0.505 -0.271,-0.467 -0.335,-0.424 -0.409,-0.351 -0.462,-0.292 -0.521,-0.193 -0.549,-0.099 -0.544,0.122 -0.518,0.193 -0.434,0.33 -0.351,0.411 -0.259,0.469 -0.157,0.5 -0.107,0.483 -0.077,0.43
  Top Layer region: 0.077,0.432 0.152,0.505 0.271,0.467 0.335,0.424 0.409,0.351 0.462,0.292 0.521,0.193 0.549,0.099 0.544,-0.122 0.518,-0.193 0.434,-0.33 0.351,-0.411 0.259,-0.469 0.157,-0.5 0.107,-0.483 0.077,-0.43
  Top Layer lines w0.152: 0.153,0.431 cw(c0.042,0) 0.153,-0.431 ; -0.153,0.431 ccw(c-0.042,0) -0.153,-0.431
Solderbridge_Shorted [mm]
  round 0.2 smd paste-10: 1(-0.338,0) 2(0.338,0)
  Top Layer region: 0.102,0.432 0.178,0.505 0.296,0.467 0.361,0.424 0.434,0.351 0.488,0.292 0.546,0.193 0.574,0.099 0.569,-0.122 0.544,-0.193 0.46,-0.33 0.376,-0.411 0.284,-0.469 0.183,-0.5 0.132,-0.483 0.102,-0.43
  Top Layer region: -0.102,-0.432 -0.178,-0.505 -0.296,-0.467 -0.361,-0.424 -0.434,-0.351 -0.488,-0.292 -0.546,-0.193 -0.574,-0.099 -0.569,0.122 -0.544,0.193 -0.46,0.33 -0.376,0.411 -0.284,0.469 -0.183,0.5 -0.132,0.483 -0.102,0.43
  Top Layer lines w0.152: 0.178,0.431 cw(c0.068,0) 0.178,-0.431 ; -0.178,0.431 ccw(c-0.068,0) -0.178,-0.431
  Top Layer lines w0.203: 0.338,0 -0.338,0
SON127P600X80_HS-9N [mm] "SON, 8-Leads, Body 5.00x6.00mm, Pitch 1.27mm, Thermal Pad 4.00x3.40mm, IPC Medium Density"
  rect 1.15x0.45 smd: 1(-2.77,1.905) 2(-2.77,0.635) 3(-2.77,-0.635) 4(-2.77,-1.905) 5(2.77,-1.905) 6(2.77,-0.635) 7(2.77,0.635) 8(2.77,1.905)
  rect 3.4x4 smd paste-1.7: 9(0,0)
  silkscreen extent -3.98,-2.6 3.1,2.67, body extent -3.05,-2.55 3.05,2.55, height 0.8
SOT65P210X100-5N [mm] "SOT23, 5-Leads, Body 2,2x2,4mm (max), Pitch 0,65mm, IPC Medium Density"
  rect 0.9x0.35 smd: 1(-0.95,0.65) 2(-0.95,0) 3(-0.95,-0.65) 4(0.95,-0.65) 5(0.95,0.65)
  silkscreen extent -1.08,-1.1 0.1,1.5, body extent -1.1,-1 1.1,1, height 0.97
SOT65P210X100-6N [mm] "SOT23, 6-Leads, Body 2,2x2,4mm (max), Pitch 0,65mm, IPC Medium Density"
  rect 0.9x0.35 smd: 1(-0.95,0.65) 2(-0.95,0) 3(-0.95,-0.65) 4(0.95,-0.65) 5(0.95,0) 6(0.95,0.65)
  silkscreen extent -1.07,-1.1 0.1,1.5, body extent -1.05,-1 1.05,1, height 0.92
SOT89-150P409X160-3N [mm] "SOT89, 3-Leads, Body 4.50x2.45mm, Pitch 1.50mm, Lead Span 4.1mm, IPC Medium Density"
  rect 1.4x0.6 smd: 1(-1.8,1.5) 3(-1.8,-1.5)
  rect 1.7x0.6 smd: 2(-1.65,0)
  Top Layer region: -1.016,-0.3 -0.635,-0.3 -0.635,0.3 -1.016,0.3
  Top Layer region: -0.8,0.3 -0.15,0.95 1.85,0.95 2.5,0.3 2.5,-0.3 1.85,-0.95 -0.15,-0.95 -0.8,-0.3
  silkscreen extent -2.05,-2.3 1.32,2.47, body extent -2.2,-2.3 1.93,2.3, height 1.6
SOT95P280X140-5N [mm] "SOT23, 5-Leads, Body 2,90x2,80mm, Pitch 0,95mm, IPC Medium Density"
  rect 1x0.6 smd: 1(-1.35,0.95) 2(-1.35,0) 3(-1.35,-0.95) 4(1.35,-0.95) 5(1.35,0.95)
  silkscreen extent -1.48,-1.5 0.45,1.92, body extent -1.5,-1.55 1.5,1.55, height 1.4
SOT190P230X110-4L [mm] "SOT143, 4-Leads, Body 3.0x2.5mm (max), Pitch 1.90mm, IPC High Density"
  rect 0.85x1 smd: 1(-1.025,0.75)
  rect 0.85x0.6 smd: 2(-1.025,-0.95) 3(1.025,-0.95) 4(1.025,0.95)
  silkscreen extent -1.15,-1.5 0.7,1.92, body extent -1.21,-1.46 1.21,1.46, height 1
Switch-PB-6.2x6.3mm-SMD [mm] "6.2×6.5mm TACT Switch, without ground connector"
  rect 2.75x1.4 smd: 1(-3.375,2) 1(3.375,2) 2(-3.375,-2) 2(3.375,-2)
  silkscreen extent -3,-3 3,3, body extent -4,-3 4,3.3, height 3.1
Switch-Slide-J-Lead-DP3T-13x3.5mm [mm] "Slide Switch - DP3T, SMD, ON-ON-ON"
  rect 1.2x1.6 smd: 1(-4,-1.4) 2(-2,-1.4) 3(2,-1.4) 4(4,-1.4) 5(-4,1.4) 6(-2,1.4) 7(2,1.4) 8(4,1.4)
  silkscreen extent -6,-1.75 6,1.75, body extent -6,-1.8 6,1.7, height 5.5
TC2050-IDC-NLFP [mil]
  round 39 hole 39 unplated: 0(-150,0) 0(150,-40) 0(150,40)
  round 31 smd paste-196.85: 1(-100,-25) 2(-50,-25) 3(0,-25) 4(50,-25) 5(100,-25) 6(100,25) 7(50,25) 8(0,25) 9(-50,25) 10(-100,25)
  Top Layer pour cut-out: -100,25 -100,-25 100,-25 100,25
TESTPAD-TH [mm]
  round 1.5 hole 1: 1(0,0)
  silkscreen extent -1,-1 1,1
TP_SMD_Ø1.0mm [mm]
  round 1 smd paste-5: 1(0,0)
  silkscreen extent -0.7,-0.7 0.7,0.7
TP_SMD_Ø1.5mm [mm]
  round 1.5 smd paste-5: 1(0,0)
  silkscreen extent -0.95,-0.95 0.95,0.95
TSOP65P640X120-8N [mm] "TSOP, 8-Leads, Body 3.00x4.40mm, Pitch 0.65mm, IPC Medium Density"
  oval 1.4x0.4 smd: 1(-2.95,0.975) 2(-2.95,0.325) 3(-2.95,-0.325) 4(-2.95,-0.975) 5(2.95,-0.975) 6(2.95,-0.325) 7(2.95,0.325) 8(2.95,0.975)
  silkscreen extent -3.07,-1.55 1.85,1.87, body extent -3.2,-1.55 3.2,1.55, height 1.2
TSQFP50P1600X1600X160-100N [mm] "TSQFP, 100-Leads, Body 16,0x16,0mm (max), Pitch 0,50mm, IPC Medium Density"
  oval 1.65x0.3 smd mask+0.05: 1(-7.575,6) 2(-7.575,5.5) 3(-7.575,5) 4(-7.575,4.5) 5(-7.575,4) 6(-7.575,3.5) 7(-7.575,3) 8(-7.575,2.5) 9(-7.575,2) 10(-7.575,1.5) 11(-7.575,1) 12(-7.575,0.5) 13(-7.575,0) 14(-7.575,-0.5) 15(-7.575,-1) 16(-7.575,-1.5) 17(-7.575,-2) 18(-7.575,-2.5) 19(-7.575,-3) 20(-7.575,-3.5) 21(-7.575,-4) 22(-7.575,-4.5) 23(-7.575,-5) 24(-7.575,-5.5) 25(-7.575,-6) 51(7.575,-6) 52(7.575,-5.5) 53(7.575,-5) 54(7.575,-4.5) 55(7.575,-4) 56(7.575,-3.5) 57(7.575,-3) 58(7.575,-2.5) 59(7.575,-2) 60(7.575,-1.5) 61(7.575,-1) 62(7.575,-0.5) 63(7.575,0) 64(7.575,0.5) 65(7.575,1) 66(7.575,1.5) 67(7.575,2) 68(7.575,2.5) 69(7.575,3) 70(7.575,3.5) 71(7.575,4) 72(7.575,4.5) 73(7.575,5) 74(7.575,5.5) 75(7.575,6)
  oval 0.3x1.65 smd mask+0.05: 26(-6,-7.575) 27(-5.5,-7.575) 28(-5,-7.575) 29(-4.5,-7.575) 30(-4,-7.575) 31(-3.5,-7.575) 32(-3,-7.575) 33(-2.5,-7.575) 34(-2,-7.575) 35(-1.5,-7.575) 36(-1,-7.575) 37(-0.5,-7.575) 38(0,-7.575) 39(0.5,-7.575) 40(1,-7.575) 41(1.5,-7.575) 42(2,-7.575) 43(2.5,-7.575) 44(3,-7.575) 45(3.5,-7.575) 46(4,-7.575) 47(4.5,-7.575) 48(5,-7.575) 49(5.5,-7.575) 50(6,-7.575) 76(6,7.575) 77(5.5,7.575) 78(5,7.575) 79(4.5,7.575) 80(4,7.575) 81(3.5,7.575) 82(3,7.575) 83(2.5,7.575) 84(2,7.575) 85(1.5,7.575) 86(1,7.575) 87(0.5,7.575) 88(0,7.575) 89(-0.5,7.575) 90(-1,7.575) 91(-1.5,7.575) 92(-2,7.575) 93(-2.5,7.575) 94(-3,7.575) 95(-3.5,7.575) 96(-4,7.575) 97(-4.5,7.575) 98(-5,7.575) 99(-5.5,7.575) 100(-6,7.575)
  silkscreen extent -7.7,-6.35 6.35,6.83, body extent -8,-8 8,8, height 1.6
TY-NR3015 [mm] "Molded Inductor, 2-Leads, Body 3.00x3.00mm, IPC Medium Density"
  rect 0.8x2.7 smd: 1(-1.1,0) 2(1.1,0)
  silkscreen extent -2.05,-1.55 1.55,1.75, body extent -1.5,-1.5 1.5,1.5, height 1.35
USB-Micro-B-RA-SMD-PiP [mm] "Micro USB B SMT"
  rect 1.35x0.4 smd: 1(0,1.3) 2(0,0.65) 3(0,0) 4(0,-0.65) 5(0,-1.3)
  oval 1.6x0.9 hole 0.5 slot 1.2 at 0 deg: 6(-2.675,-3.3) 6(-2.675,3.3)
  oval 2x1.5 on Top Paste: 6(-2.675,-3.3) 6(-2.675,3.3)
  rect 1.55x1.9 smd: 6(-2.675,-1.2) 6(-2.675,1.2)
  rect 1.4x1.6 smd: 6(-0.225,-3.2) 6(-0.225,3.2)
  silkscreen extent -4.75,-3.75 0.25,3.75, body extent -5.28,-4.1 0.15,4.1, height 2.72